# Altium PCB IPG.PcbDoc (part 5 of 10)
Units mm, origin at the board's own origin, x right, y up, seen from the top; angles counter-clockwise.
Board outline 69.6 x 90.73 mm, 10 copper layers (TOP, DHOR, DVERT, GND 1, POWER, GND 2, GND 3, AVERT, AHOR, BOT), stack 1.062 mm thick; 727 components, 391 nets, 2009 pads, 3077 vias.
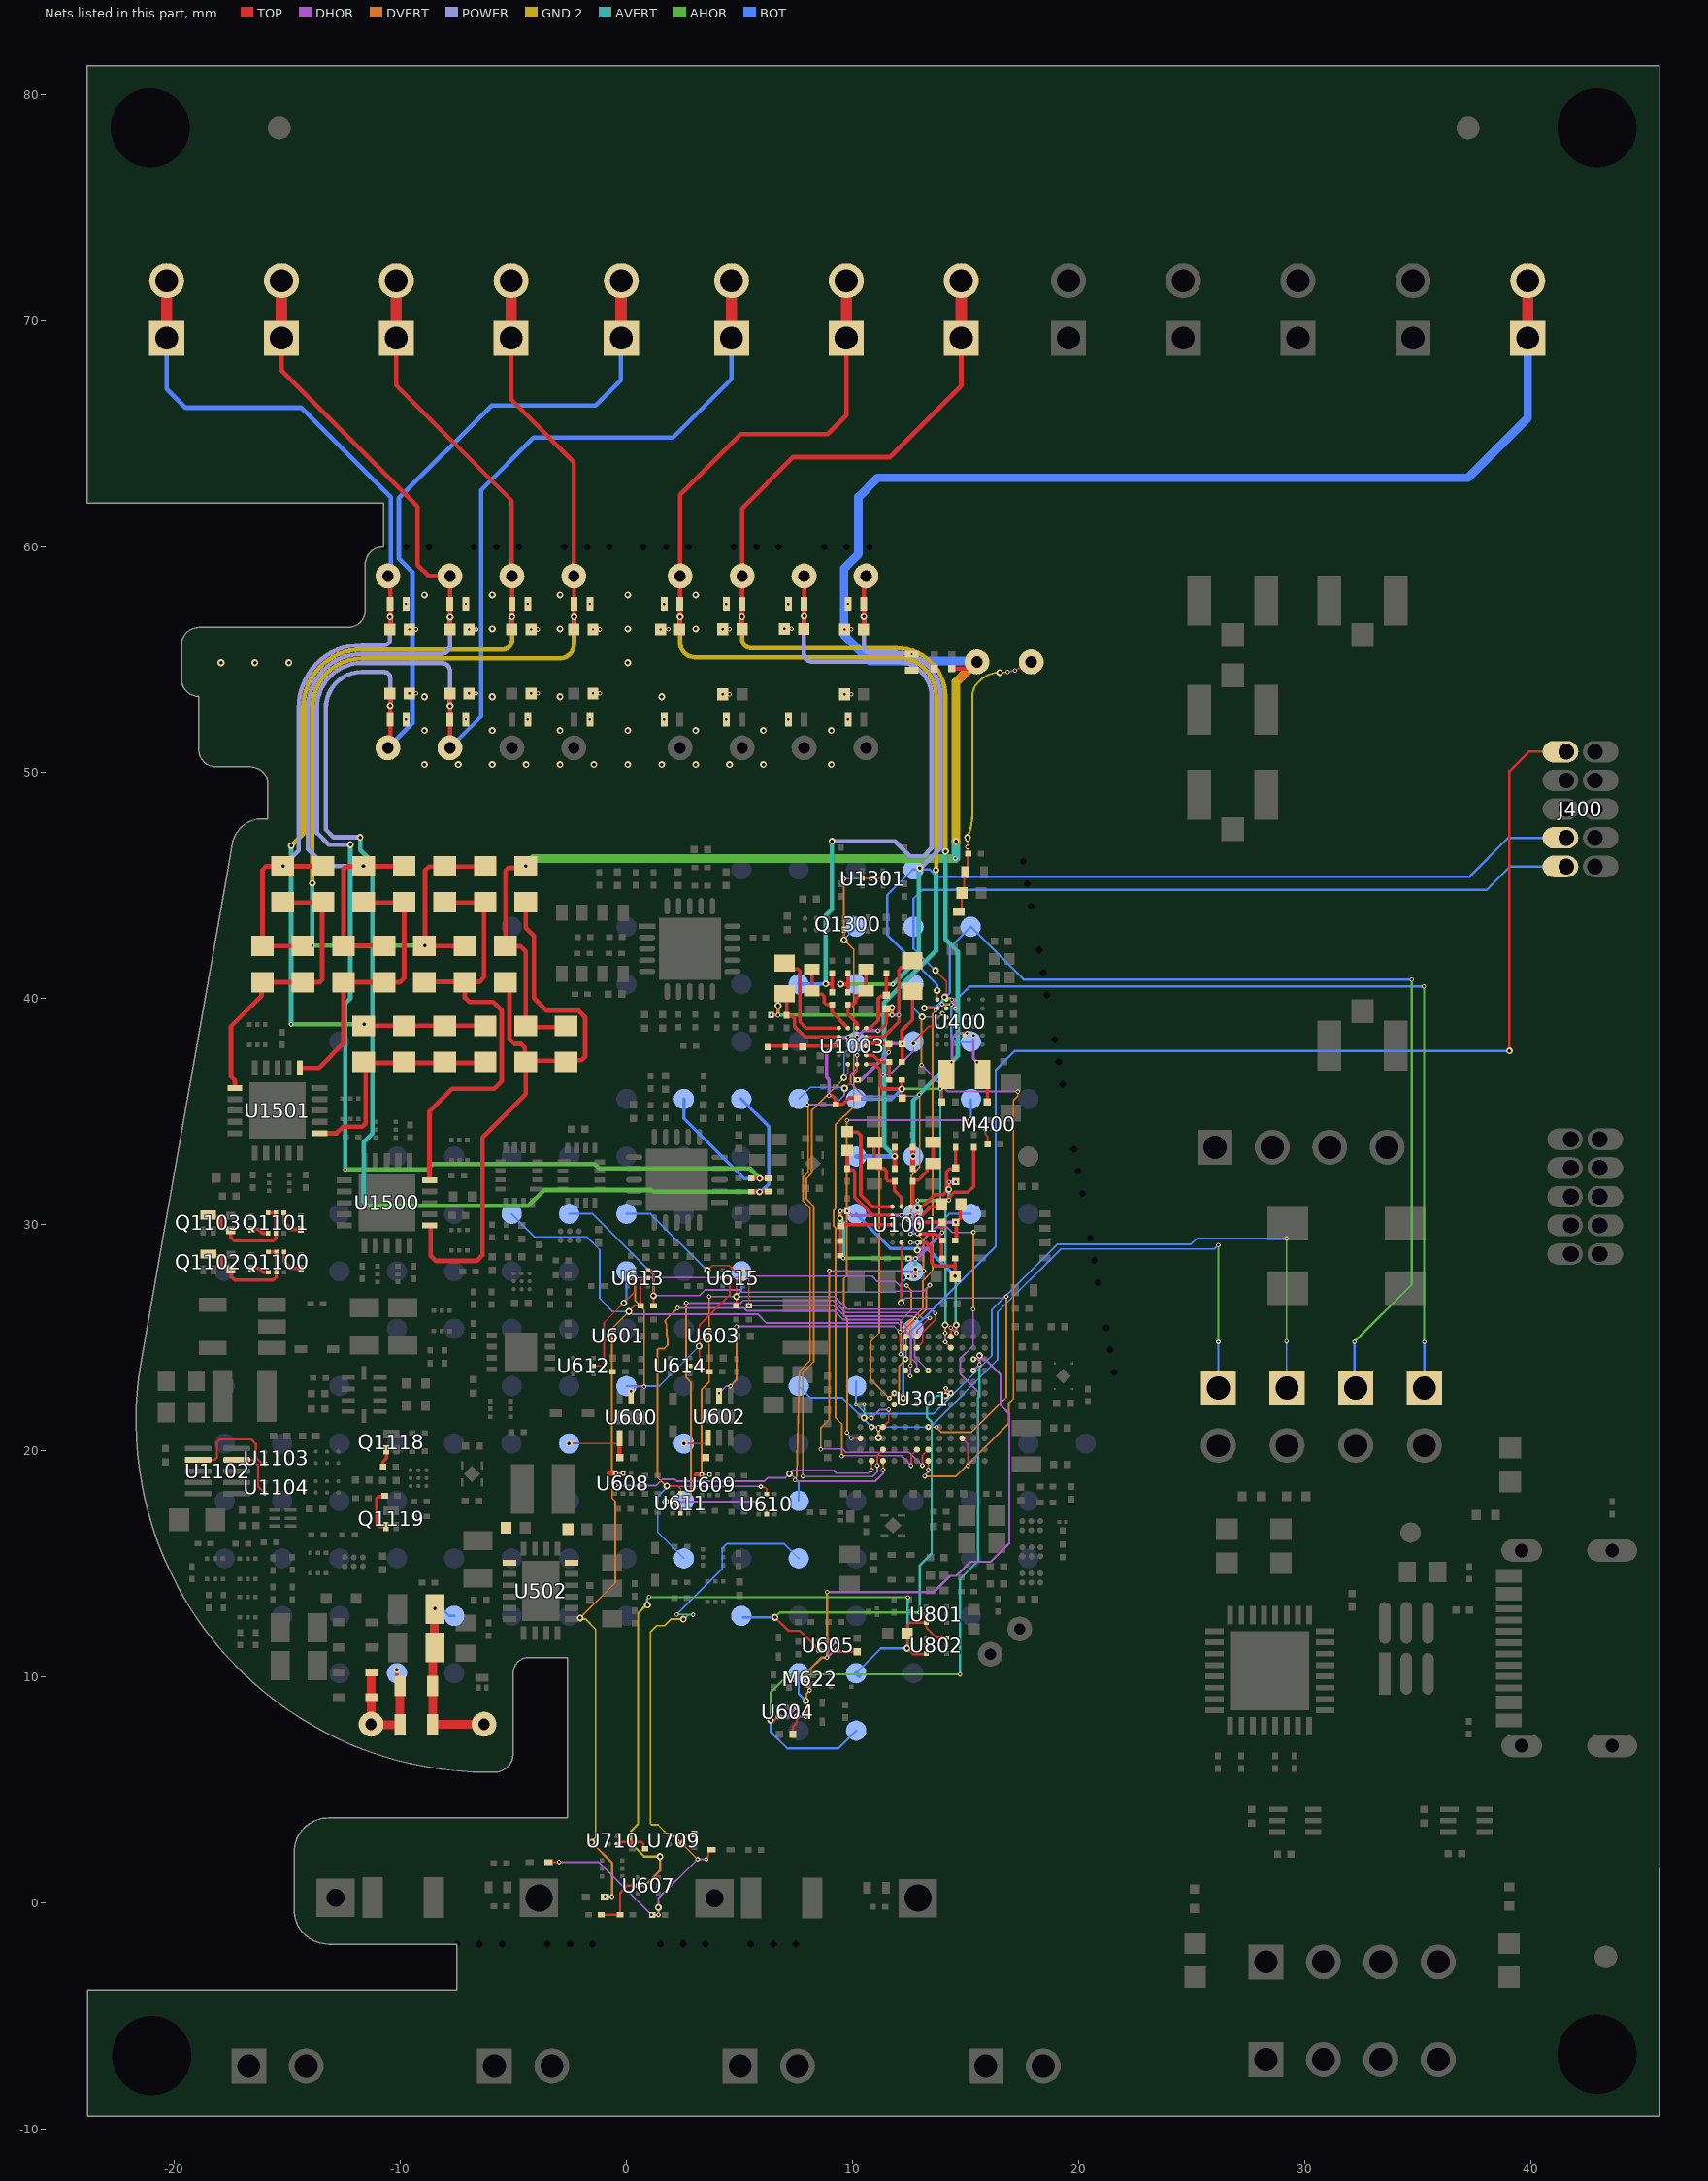
[diagram p13: the nets of this part, all layers, seen from the top]

## Via types
v1: diameter 0.203, hole 0.102, TOP to DHOR, tented top, 723 vias
v2: diameter 0.203, hole 0.102, DHOR to DVERT, tented top, 643 vias
v3: diameter 0.305/0.305/0/0.305/0.305/0.305 (per signal layer), hole 0.152, DVERT to AVERT, tented top, 439 vias
v4: diameter 0.305/0.305/0/0.305/0.305/0.305 (per signal layer), hole 0.152, DVERT to AVERT, 388 vias
v5: diameter 0.305, hole 0.152, TOP to BOT, 265 vias
v6: diameter 0.305/0.305/0.305/0.305/0/0.305/0.305/0.305/0.305/0.305 (per signal layer), hole 0.152, TOP to BOT, tented both sides, 133 vias
v7: diameter 0.305/0.305/0.305/0.305/0.305/0.305 (per signal layer), hole 0.152, DVERT to AVERT, tented top, 106 vias
v8: diameter 0.203, hole 0.102, AVERT to AHOR, tented top, 100 vias
v9: diameter 0.305, hole 0.152, TOP to BOT, tented both sides, 83 vias
v10: diameter 0.305/0/0/0.305/0/0.305/0.305/0/0/0.305 (per signal layer), hole 0.152, TOP to BOT, tented both sides, 67 vias
v11: diameter 0.305/0.305/0.305/0.305/0.305/0.305/0.305/0.305/0.305/0.305 (per signal layer), hole 0.152, TOP to BOT, tented both sides, 64 vias
v12: diameter 0.203, hole 0.102, AHOR to BOT, tented both sides, 31 vias
v13: diameter 0.203/0.203 (per signal layer), hole 0.102, DHOR to DVERT, tented top, 9 vias
v14: diameter 0.203/0.203 (per signal layer), hole 0.102, TOP to DHOR, tented top, 9 vias
v15: diameter 0.203, hole 0.102, DHOR to DVERT, tented both sides, 8 vias
v16: diameter 0.203, hole 0.102, TOP to DHOR, tented both sides, 4 vias
v17: diameter 0.305/0.305/0.305/0.305/0.305/0.305 (per signal layer), hole 0.152, DVERT to AVERT, 2 vias
v18: diameter 0.305, hole 0.152, DVERT to AVERT, tented top, 2 vias
v19: diameter 0.305/0/0/0.305/0.305/0.305/0.305/0/0/0.305 (per signal layer), hole 0.152, TOP to BOT, tented both sides, 1 vias

## Nets (pads, with @x,y where several pads share a name; then routed paths per layer and width w, separated by ;. In a path a pad name is that pad's centre, name@x,y a point inside that pad or via, vN(x,y) a via of type N, cw(c..) or ccw(c..) an arc to the next point about the centre after c; other vN are vias at no path point) (continued)
ANT+: C402.2 J200.1 L400.2 L401.2 R401.2 | length 13.7
  TOP w0.084: L400.2@14.707,43.849 14.84,43.982 C402.2@14.84,44.679 14.943,44.781 14.943,45.552 L401.2@14.983,45.593 15.088,45.697 15.088,46.378 R401.2@15.118,46.409 15.088,46.44 v16(15.088,47.041) ; v16(17.187,54.518) J200.1@17.905,54.897 J200.1@17.77,54.897
  DVERT w0.084: v15(15.085,46.701) v3(15.085,47.142) ; v3@16.5,54.425 ccw(c16.5,56.965) v15(16.861,54.451)
  GND 2 w0.091: v3@15.137,47.267 ccw(c12.814,48.159) 15.302,48.159 15.302,53.373 cw(c16.169,53.373) 15.556,53.986 15.635,54.065 cw(c16.51,53.19) v3(16.51,54.428)
  DHOR w0.084: v15(15.085,46.701) 15.088,46.704 v16(15.088,47.041) ; v15(16.861,54.451) ccw(c16.506,56.965) v16(17.187,54.518)
B1: Q1100.2 Q1100.3 Q1100.5 Q1102.3 R1100.2 | length 5.4
  TOP w0.152: Q1102.3@-18.499,28.702 -18.408,28.702 -18.327,28.62 -18.012,28.62 -17.923,28.531 -17.923,28.175 -17.833,28.086 -17.557,28.086 R1100.2@-17.499,28.027 -17.499,27.715 -17.346,27.562 -15.623,27.562 -15.5,27.685 Q1100.5@-15.499,27.902 Q1100.5@-15.499,27.902 Q1100.2@-15.499,28.802 Q1100.3@-15.849,28.802
B2: Q1101.2 Q1101.3 Q1101.5 Q1103.3 R1101.2 | length 5.4
  TOP w0.152: Q1103.3@-18.508,30.426 -18.418,30.426 -18.336,30.344 -18.022,30.344 -17.932,30.255 -17.932,29.899 -17.843,29.81 -17.567,29.81 R1101.2@-17.508,29.751 -17.508,29.439 -17.356,29.286 -15.633,29.286 -15.51,29.409 -15.51,29.624 Q1101.5@-15.508,29.626 Q1101.2@-15.508,30.526 Q1101.3@-15.858,30.526
BASE_VCC1: Q1118.1 R1148.2 | length 0.8
  TOP w0.102: R1148.2@-10.77,19.304 -10.77,19.429
  TOP w0.152: -10.77,19.429 -10.77,19.526 -10.627,19.67 Q1118.1@-10.627,20.039
BASE_VCC2: Q1119.1 R1151.2 | length 2
  TOP w0.152: R1151.2@-10.694,18.009 -10.717,17.986 -10.96,17.986 -11.049,17.897 -11.049,16.732 -10.96,16.643 Q1119.1@-10.639,16.643
BATT1_EN: R712.1 U709.B1 | length 1
  TOP w0.102: U709.B1@2.258,2.591 2.284,2.591 2.691,2.997 R712.1@3.048,2.997
BATT2_EN: R713.1 U710.B1 | length 1.5
  TOP w0.1: U710.B1@-0.432,2.607 -0.389,2.607 -0.307,2.689 0.664,2.689 0.751,2.602 0.751,2.463 0.766,2.448 0.786,2.448 R713.1@0.833,2.401
BATT.MON1: TP633.1 U301.J2 U604.A1 U604.C2 | length 31.5
  TOP w0.102: v6(6.375,8.077) 6.552,8.077 6.72,8.245 v1(6.73,8.245)
  DVERT w0.102: v2(15.621,23.821) v3(15.621,24.206)
  AVERT w0.102: v8(14.757,10.109) 14.757,14.324 15.555,15.122 15.555,22.345 15.621,22.411 v3(15.621,24.206)
  DHOR w0.102: v1(6.73,8.245) 7.13,8.245 v1(7.53,8.645) ; v1@15.351,23.549 15.351,23.551 v2@15.621,23.821
  AHOR w0.102: v6(6.375,8.077) 6.375,9.305 7.18,10.109 v8(14.757,10.109)
  BOT w0.102: v6(6.375,8.077) 6.375,7.569 7.112,6.833 9.373,6.833 TP633.1@10.16,7.62
  other v1: 15.35,23.55
BATT.MON2: TP634.1 U301.G4 U605.A1 U605.C2 | length 22.5
  TOP w0.102: v6(6.57,12.632) 7.163,12.04 7.672,12.04 8.515,11.196 v1(8.515,11.182)
  DVERT w0.102: v3@14.123,22.466 v2(14.123,22.766)
  AVERT w0.102: v8(12.969,12.852) 12.969,14.925 13.503,15.459 13.503,18.8 13.503,21.276 13.293,21.486 13.293,22.002 13.726,22.435 v3(14.113,22.435)
  DHOR w0.102: v1(8.515,11.182) 8.92,11.182 v1(9.322,11.584) ; v2@14.13,22.764 v1@14.344,22.551
  AHOR w0.102: v6(6.57,12.632) 6.789,12.852 v8(12.969,12.852)
  BOT w0.102: TP634.1@5.148,12.632 v6(6.57,12.632)
  other v1: 14.35,22.55
BATT.MON_EN: C606.2 C607.2 M622.1 TP635.1 U301.K2 U604.A2 U605.A2 | length 28.5
  TOP w0.102: C606.2@7.361,7.449 7.361,7.797 7.53,7.966 v1(7.53,8.245) ; v1(9.315,11.182) 9.358,11.182 9.427,11.114 C607.2@10.211,11.114
  DVERT w0.102: v2(7.938,8.245) v6(7.938,8.932) 7.947,8.941 7.947,9.224 v2@8.098,9.375 ; v2(8.098,9.402) 8.098,10.311 8.633,10.846 v2(8.865,10.846) 8.875,10.856 8.875,13.742 v2(8.872,13.745)
  DHOR w0.102: v1(7.53,8.245) v2(7.938,8.245) ; v1(7.953,9.675) 8.083,9.545 8.083,9.417 v2(8.098,9.402) ; v2(8.865,10.846) 9.182,11.164 9.297,11.164 v1(9.315,11.182) ; v2(8.872,13.745) 8.876,13.741 13.594,13.741 14.318,14.465 14.592,14.465 15.216,15.089 16.112,15.089 16.936,15.913 16.936,21.637 16.56,22.013 16.56,23.351 15.86,24.05 v1(15.35,24.05)
  BOT w0.102: TP635.1@7.62,10.16 7.62,9.25 v6(7.938,8.932)
BATT.SW_EN: D604.2 TP631.1 U301.A11 | length 33.7
  TOP w0.076: v1(10.85,19.149) U301.A11@10.85,19.55
  DVERT w0.076: v3(-2.05,12.604) -0.496,14.158 -0.496,17.762 -0.635,17.901 -0.635,18.313 v2(-0.483,18.466)
  DVERT w0.102: v7(-1.534,2.671) -0.643,1.78 v2(-0.643,0.276)
  GND 2 w0.076: v3(-2.05,12.604) -2.006,12.56 -1.824,12.56 -1.369,12.105 -1.369,2.883 -1.534,2.718 v7(-1.534,2.671)
  DHOR w0.076: v2(-0.483,18.466) 1.322,18.466 1.595,18.739 2.137,18.739 2.219,18.657 6.11,18.657 6.262,18.809 7.034,18.809 v6(7.208,18.983) 7.222,18.983 7.367,19.128 9.16,19.128 9.279,19.008 9.6,19.008 10.709,19.008 v1(10.85,19.149)
  DHOR w0.102: v1(-0.948,0.28) -0.946,0.278 -0.646,0.278 v2(-0.643,0.276)
  BOT w0.076: v6(7.208,18.983) 7.255,18.983 7.62,18.618 TP631.1@7.62,17.78
BATT_ENn: D601.1 D603.1 R620.2 TP628.1 | length 31.9
  TOP w0.076: D601.1@-3.441,1.803 v1(-2.972,1.803) ; v1(3.531,1.93) 3.531,1.965 3.621,2.055 3.621,2.258 3.708,2.344 D603.1@3.763,2.344
  DVERT w0.076: v7@2.489,2.616 v7(2.489,2.591) v2(3.15,1.93)
  DVERT w0.102: v2(1.411,-0.536) v7(1.411,-0.206)
  GND 2 w0.076: v7(2.489,2.591) 2.138,2.942 1.904,2.942 1.392,3.453 1.106,3.453 1.061,3.498 1.061,11.988 1.344,12.271 1.677,12.271 1.96,12.554 v3(2.516,12.554)
  AVERT w0.076: v3(2.516,12.554) 2.549,12.554 2.73,12.736 2.931,12.736 v8(2.946,12.751)
  DHOR w0.076: v1(-2.972,1.803) -1.229,1.803 v1(1.106,-0.532) v1(1.106,-0.532) v2@1.408,-0.534 ; v2(1.411,-0.536) 1.411,0.192 v2(3.15,1.93) v1(3.531,1.93)
  AHOR w0.076: v12(2.225,12.764) 2.933,12.764 v8(2.946,12.751)
  BOT w0.076: v12(2.225,12.764) 4.233,14.772 4.233,15.678 4.437,15.882 6.978,15.882 TP628.1@7.62,15.24
BATT_SW: C800.1 R623.2 R624.2 TP632.1 U607.2 U801.6 U802.3 U802.6 | length 38.3
  TOP w0.102: R623.2@-1.12,-0.529 R624.2@-0.28,-0.529 -0.28,0.431 0.051,0.762 v1(0.514,0.763) ; U802.6@13.266,11.029 13.235,10.998 12.675,10.998 v6(12.414,11.259) C800.1@12.414,11.913 12.418,11.917 12.418,12.265 12.553,12.401 U801.6@13.266,12.401 13.266,12.179 13.716,11.729 U802.3@14.166,11.729 14.168,11.729 U802.3@14.199,11.76
  DVERT w0.102: v2(0.819,0.759) 1.482,1.422 v7(1.482,2.048)
  GND 2 w0.102: v3(0.93,13.173) 0.884,13.173 0.515,12.804 0.515,10.858 0.515,3.759 0.515,3.487 0.202,3.175 0.202,2.631 0.785,2.048 v7(1.482,2.048)
  AVERT w0.102: v3(0.93,13.173) 0.914,13.188 0.914,13.435 0.991,13.511 v8(0.991,13.538) ; v6(12.414,11.259) 12.431,11.277 12.431,13.495 v8(12.449,13.513)
  DHOR w0.102: v1(0.514,0.763) v1(0.514,0.763) v2@0.816,0.761
  AHOR w0.102: v8(0.991,13.538) 1.003,13.525 12.436,13.525 v8(12.449,13.513)
  BOT w0.102: TP632.1@10.16,10.16 11.259,11.259 v6(12.414,11.259)
  BOT w0.191: TP632.1@10.16,10.16 TP632.1@10.296,10.024
BLE_P.1: TP404.1 U301.A6 U400.F3 | length 30
  TOP w0.076: v1(13.35,19.151) U301.A6@13.35,19.55 ; v1(13.979,39.349) 13.979,39.345 14.152,39.172 U400.F3@14.152,39.168
  DVERT w0.076: v15(13.054,37.063) 13.054,39.165 v6(13.081,39.192) ; v2(13.197,18.872) 14.58,18.872 16.913,21.205 16.913,22.101 17.116,22.304 17.116,35.491 17.31,35.685 v15(17.31,35.89)
  DHOR w0.076: v15(13.054,37.063) 14.227,35.89 v15(17.31,35.89) ; v6(13.081,39.192) 13.822,39.192 v1(13.979,39.349) ; v2(13.197,18.872) 13.197,18.907 13.326,19.035 13.326,19.126 v1(13.35,19.151)
  BOT w0.076: TP404.1@12.7,40.64 12.7,39.573 v6(13.081,39.192)
BLE_P.2: TP405.1 U301.G9 U400.G4 | length 18.7
  TOP w0.076: v1(11.85,22.55) U301.G9@11.852,22.55 ; v6(12.7,38) 12.744,38.044 12.744,38.144 13.368,38.768 U400.G4@13.752,38.768
  DVERT w0.076: v2(11.35,36.64) 11.316,36.64 11.256,36.581 11.184,36.509 11.184,25.225 10.799,24.839 10.799,23.158 v2(11.634,22.323)
  DHOR w0.076: v2(11.35,36.64) 11.647,36.64 12.7,37.694 v6(12.7,38) ; v2@11.636,22.325 11.636,22.33 11.849,22.544 v1(11.85,22.55)
BLE_PWRn: M400.1 R400.2 TP406.1 U301.C12 | length 22.6
  TOP w0.076: v1(9.951,20.55) U301.C12@10.35,20.55 ; v6(15.242,34.634) 15.625,34.251 M400.1@15.884,34.251 15.884,33.999 15.976,33.906 R400.2@15.976,33.553
  DVERT w0.076: v2(9.754,20.804) 9.772,20.822 9.772,25.8 9.772,25.838 9.614,25.996 9.614,27.615 9.748,27.749 9.748,34.614 v2(9.754,34.62)
  DHOR w0.076: v2(9.754,20.804) 9.754,20.776 9.951,20.579 v1(9.951,20.55) ; v2(9.754,34.62) 9.76,34.627 15.235,34.627 v6(15.242,34.634)
  BOT w0.076: v6@15.241,34.635 TP406.1@15.24,35.56
BLE_RSTn: J400.10 TP403.1 U301.F9 U400.F2 | length 73.6
  TOP w0.076: U301.F9@11.85,22.05 11.896,22.05 12.135,22.289 12.21,22.289 v6(12.253,22.332) ; v1(13.965,39.761) 13.965,39.756 U400.F2@14.152,39.568
  TOP w0.102: v6(39.065,37.69) 39.065,50.068 39.924,50.927 J400.10@41.58,50.927
  DVERT w0.076: v6(12.253,22.332) 12.253,22.336 12.066,22.523 12.066,23.757 12.37,24.061 12.37,25.571 13.118,26.32 13.118,27.532 13.543,27.957 13.543,37.668 13.543,39.328 13.685,39.47 v2(13.685,39.492)
  DHOR w0.076: v2(13.685,39.492) 13.69,39.492 13.959,39.761 v1(13.965,39.761)
  BOT w0.102: v6(12.253,22.332) 12.253,24.953 TP403.1@12.7,25.4 16.336,29.036 16.336,36.845 17.185,37.694 v6@39.065,37.694
BLE_SWDCLK: J400.4 TP400.1 U400.G1 | length 36.9
  TOP w0.076: v6@13.749,40.368 13.752,40.364 U400.G1@13.752,39.968
  BOT w0.102: v6(13.749,40.364) 13.749,40.617 11.532,42.834 11.532,44.577 12.675,45.72 TP400.1@12.7,45.72 13.411,45.72 13.741,45.39 37.287,45.39 39.014,47.117 J400.4@41.58,47.117
BLE_SWDIO: J400.2 TP402.1 U400.F1 | length 34.5
  TOP w0.076: v6(13.665,41.25) 14.152,40.762 U400.F1@14.152,39.968
  BOT w0.102: v6(13.665,41.25) 12.7,42.215 TP402.1@12.7,43.18 12.7,44.425 13.088,44.813 17.538,44.813 17.886,44.813 19.83,44.813 21.7,44.813 38.056,44.813 39.091,45.847 J400.2@41.58,45.847
BLE_UART.RX: JP1403.1 TP1405.1 U400.E2 | length 43
  DVERT w0.102: v3@14.064,40.054 14.079,40.039 14.297,40.039 14.37,39.966 v2(14.398,39.966)
  AVERT w0.102: v8(13.965,39.758) 13.984,39.778 13.984,39.934 14.064,40.013 v3@14.064,40.054
  DHOR w0.102: v2(14.398,39.966) 14.398,39.938 14.533,39.803 14.533,39.587 v1(14.553,39.568)
  AHOR w0.102: v8(13.965,39.758) 13.971,39.752 14.372,39.752 v12(14.378,39.746) ; v12(35.281,40.538) 35.293,40.526 35.293,24.828 v12(35.306,24.816)
  BOT w0.102: TP1405.1@15.24,38.1 14.54,38.1 14.378,38.262 v12(14.378,39.746) 14.84,40.208 15.171,40.538 18.234,40.538 18.582,40.538 v12(35.281,40.538) ; JP1403.1@35.306,22.771 v12(35.306,24.816)
  other v3: 14.073,40.078
BLE_UART.TX: JP1401.1 TP1406.1 U400.G2 | length 44.9
  TOP w0.076: v6(13.181,39.584) 13.197,39.568 13.478,39.568 U400.G2@13.752,39.568
  AHOR w0.102: v12(32.207,24.816) 34.747,27.356 v12(34.747,40.843)
  BOT w0.102: v6(13.181,39.584) 13.208,39.612 13.478,39.612 13.67,39.612 14.309,40.25 14.309,42.249 15.24,43.18 17.577,40.843 18.234,40.843 18.582,40.843 v12(34.747,40.843) ; v12(32.207,24.816) 32.207,22.831 JP1401.1@32.266,22.771
BLE_XL1: C407.2 U400.B5 Y401.1 | length 2.6
  TOP w0.127: Y401.1@15.752,36.648 15.968,36.433 15.968,35.436 C407.2@15.953,35.436
  DHOR w0.127: v1(15.353,38.368) 15.353,37.348 v1(15.508,37.192)
BLE_XL2: C406.2 U400.D5 Y401.2 | length 3.3
  TOP w0.127: C406.2@13.953,35.436 13.953,36.448 Y401.2@14.152,36.648
  TOP w0.2: U400.D5@14.953,38.368 v1@15.059,38.474
  DHOR w0.127: v1(14.383,37.195) 14.398,37.21 14.398,37.263 14.403,37.269 14.403,38.253 14.622,38.471 v1(15.062,38.471)
BST1_VCHG: C507.1 U502.1
BST2_VCHG: C506.1 U502.16
CB_EN: Q1300.1 TP1301.1 U301.B7 U1301.2 U1301.5 | length 33.7
  TOP w0.076: Q1300.1@9.625,43.06 9.625,42.597 v6(9.627,42.596) ; U1301.2@10.447,45.314 v1(10.814,45.314) U1301.5@11.347,45.314 ; v1(12.592,19.344) 12.599,19.351 12.599,19.799 U301.B7@12.85,20.05
  DVERT w0.076: v2(9.525,19.758) 9.525,21.188 9.246,21.468 9.246,29.87 9.169,29.947 9.169,30.632 9.246,30.709 9.246,34.418 10.054,35.226 10.054,36.88 10.054,38.92 10.054,39.603 10.037,39.62 10.037,39.841 10.054,39.858 10.054,42.168 v6(9.627,42.596) 9.621,42.601 9.621,45.294 v2(9.616,45.299)
  DHOR w0.076: v2(9.525,19.758) 9.547,19.779 12.157,19.779 v1(12.592,19.344) ; v2(9.616,45.299) 9.623,45.306 10.807,45.306 v1(10.814,45.314)
  BOT w0.076: v6(9.627,42.596) 9.627,42.621 10.16,43.155 TP1301.1@10.16,43.18
CH1: C1201.2 C1514.1 C1515.1 C1516.1 C1521.1 D1201.2 J1201.1 J1218.1 J1218.2 | length 44.8
  TOP w0.2: J1201.1@-10.552,58.657 cw(c-10.552,58.546) -10.441,58.546 -10.441,57.409 -10.453,57.409 -10.453,56.345 C1201.2@-10.463,56.335 C1201.2@-10.443,56.316 ; J1201.1@-10.341,58.536 cw(c-10.551,58.414) J1201.1@-10.309,58.414
  TOP w0.203: C1515.1@-14.313,42.329 C1514.1@-16.104,42.329 -16.104,45.695 -15.939,45.86 C1516.1@-15.209,45.86 C1521.1@-13.418,45.86
  TOP w0.5: J1218.1@-20.345,69.222 J1218.2@-20.345,71.762
  POWER w0.2: v9(-15.194,45.86) -14.5,46.554 -14.5,47.893 -14.5,52.478 -14.5,52.874 cw(c-11.724,52.874) -14.455,53.373 cw(c-11.724,52.874) -11.724,55.649 -10.705,55.649 ccw(c-10.705,55.892) -10.463,55.892 -10.463,56.335 ; -10.453,56.327 v9@-10.453,56.877
  BOT w0.2: J1218.1@-20.345,69.222 -20.345,66.98 -19.507,66.142 -14.376,66.142 -10.421,62.186 -10.421,58.834 J1201.1@-10.558,58.697
  other v9: -10.463,56.885
CH1_STIM_OR_SINK: C1514.2 C1515.2 C1516.2 C1521.2 U1501.11 | length 13.2
  TOP w0.203: U1501.11@-17.328,36.052 -17.328,36.378 -17.501,36.551 -17.501,38.786 -16.147,40.14 -16.147,40.686 C1514.2@-16.104,40.729 -13.576,40.729 -13.462,40.843 -13.462,44.216 C1521.2@-13.418,44.26 -13.664,44.26 C1516.2@-15.209,44.26
CH2: C1207.2 C1511.1 C1512.1 C1513.1 C1520.1 D1209.2 J1210.1 J1222.1 J1222.2 | length 45.5
  TOP w0.2: J1222.1@-15.265,69.222 -15.265,67.793 -11.572,64.1 -9.246,61.773 -9.246,59.977 -9.246,59.182 -8.761,58.697 J1210.1@-7.815,58.697 J1210.1@-7.536,58.697 ; C1207.2@-7.819,56.175 -7.809,56.323 J1210.1@-7.809,58.657
  TOP w0.203: C1512.1@-10.731,42.329 -10.808,42.329 -10.82,42.342 -12.509,42.342 C1513.1@-12.522,42.329 -12.522,45.708 -12.37,45.86 v9(-11.639,45.86) C1511.1@-11.627,45.86 C1520.1@-9.836,45.86
  TOP w0.5: J1222.1@-15.265,69.222 J1222.2@-15.265,71.762
  POWER w0.2: v9(-11.639,45.86) -13.351,45.86 -14.1,46.609 -14.1,52.856 cw(c-11.707,52.856) -11.707,55.249 -11.519,55.249 -11.519,55.248 -8.218,55.248 ccw(c-8.218,55.657) -7.809,55.657 -7.809,56.323 v9(-7.809,56.873)
CH2_STIM_OR_SINK: C1511.2 C1512.2 C1513.2 C1520.2 U1501.6 | length 13
  TOP w0.2: U1501.6@-14.443,36.937 U1501.6@-14.402,36.937
  TOP w0.203: U1501.6@-14.402,36.937 -13.609,36.937 -12.522,38.024 C1513.2@-12.522,40.729 C1512.2@-10.731,40.729 -10.02,40.729 -9.836,40.913 C1520.2@-9.836,44.26 C1511.2@-11.627,44.26
CH3: C1204.2 C1508.1 C1509.1 C1510.1 C1519.1 D1205.2 J1206.1 J1226.1 J1226.2 | length 52.3
  TOP w0.19: J1226.1@-10.185,69.222 -10.185,67.132 -5.072,62.018 J1206.1@-5.072,58.697 ; C1204.2@-5.064,56.336 J1206.1@-5.064,58.645
  TOP w0.203: C1508.1@-11.627,38.798 C1519.1@-6.254,38.798
  TOP w0.5: J1226.1@-10.185,69.222 J1226.2@-10.185,71.762
  GND 2 w0.2: v3(-14.834,46.761) -14.834,46.77 -14.3,47.304 -14.3,52.87 cw(c-11.721,52.87) -14.25,53.373 cw(c-11.721,52.87) -11.721,55.449 -5.474,55.449 ccw(c-5.474,55.859) -5.064,55.859 -5.064,56.336 v9(-5.064,56.886)
  AVERT w0.2: v8(-14.837,38.863) -14.837,46.74 v3@-14.824,46.752
  AHOR w0.2: v8@-14.836,38.863 v8@-14.834,38.863 ; v8@-14.834,38.862 v6(-11.608,38.862)
CH3_STIM_OR_SINK: C1508.2 C1509.2 C1510.2 C1519.2 U1501.1 | length 10.3
  TOP w0.203: U1501.1@-13.558,34.052 -12.822,34.052 -12.535,34.339 -11.683,34.339 -11.542,34.481 -11.542,37.113 C1508.2@-11.627,37.198 ; C1508.2@-11.589,37.16 -9.836,37.16 -8.045,37.16 -6.292,37.16 C1519.2@-6.254,37.198
CH4: C1211.2 C1504.1 C1505.1 C1507.1 C1518.1 D1213.2 J1214.1 J1230.1 J1230.2 | length 54.3
  TOP w0.19: J1230.1@-5.105,69.222 -5.105,66.512 -2.329,63.735 J1214.1@-2.329,58.697 ; C1211.2@-2.321,56.339 J1214.1@-2.321,58.645
  TOP w0.203: C1518.1@-7.149,42.329 C1505.1@-8.94,42.329 -8.915,42.354 -8.915,45.669 -8.738,45.847 -6.267,45.847 C1507.1@-6.254,45.86
  TOP w0.5: J1230.1@-5.105,69.222 J1230.2@-5.105,71.762
  GND 2 w0.2: v3@-13.9,45.11 -13.9,52.856 cw(c-11.707,52.856) -11.707,55.049 -2.971,55.049 ccw(c-2.971,55.699) -2.321,55.699 -2.321,56.339 v9(-2.321,56.889)
  AVERT w0.2: v3(-13.898,45.112) -13.898,42.347 v8(-13.894,42.342)
  AHOR w0.2: v8(-13.894,42.342) v6(-8.928,42.342)
CH4_STIM_OR_SINK: C1504.2 C1505.2 C1507.2 C1518.2 U1500.15 | length 20.3
  TOP w0.203: C1505.2@-8.941,40.742 -7.149,40.742 -6.502,40.742 -6.299,40.945 -6.299,44.214 C1507.2@-6.254,44.26 C1504.2@-8.045,44.26 ; C1505.2@-8.94,40.729 C1505.2@-8.94,40.741 ; U1500.15@-8.715,31.963 -8.715,35.024 -7.722,36.017 -5.86,36.017 -5.519,36.358 -5.519,39.468 -5.902,39.851 -6.958,39.851 -7.149,40.042 C1518.2@-7.149,40.729
CHG1.EN: R603.1 TP602.1 U301.J7 U608.2 U613.5 | length 32.8
  TOP w0.076: U608.2@-0.153,19 v1(-0.14,19) ; v6@0.102,26.162 0.356,26.416 R603.1@0.634,26.416 0.634,27.482 0.787,27.635 U613.5@0.958,27.635
  DVERT w0.076: v2(-0.47,18.999) -0.645,19.175 -0.645,25.41 -0.368,25.687 v6(0.104,26.159)
  DHOR w0.076: v2(-0.47,18.999) v1(-0.14,19) ; v6(0.104,26.159) 0.152,26.159 0.277,26.034 5.818,26.034 6.198,25.654 9.6,25.654 11.999,25.654 12.598,25.055 12.598,24.086 12.85,23.834 v1(12.85,23.55)
  BOT w0.076: TP602.1@-5.08,30.48 -4.066,29.466 -1.754,29.466 -1.184,28.895 -1.184,26.736 -0.607,26.159 v6(0.104,26.159)
CHG1.OVP_ERRn: R603.2 TP606.1 U301.J8 U613.6 | length 24.7
  TOP w0.076: U613.6@0.958,27.985 0.964,27.991 1.118,27.991 1.194,27.914 R603.2@1.194,26.416 ; U301.J8@12.35,23.55 12.35,23.508 v1(12.558,23.3)
  DVERT w0.076: v2(12.573,23.774) 12.573,25.559 12.814,25.8 13.271,26.257 13.271,27.164 13.416,27.308 v2(13.416,27.324)
  DHOR w0.076: v6(1.197,26.863) 3.234,26.863 3.483,27.112 5.03,27.112 5.124,27.018 11.875,27.018 11.92,27.064 13.155,27.064 v2(13.416,27.324) ; v1(12.558,23.3) 12.565,23.308 12.565,23.767 v2(12.573,23.774)
  BOT w0.076: TP606.1@-2.54,30.48 -1.499,30.48 1.197,27.784 v6(1.197,26.863)
CHG1.STATUS: U301.K8 U600.2 | length 21.5
  TOP w0.076: U301.K8@12.35,24.05 12.35,24.054 v1(12.352,24.057) U301.K8@12.355,24.059
  DVERT w0.076: v2@0.386,27.636 0.386,26.629 0.783,26.233 v2(0.783,22.836) ; v2@0.389,27.636 v2(0.414,27.661) ; v2(12.126,24.273) 12.126,25.758 12.598,26.231 12.598,27.102 v2(12.395,27.305)